# KiCad board BYOM_Blank_panel.kicad_pcb
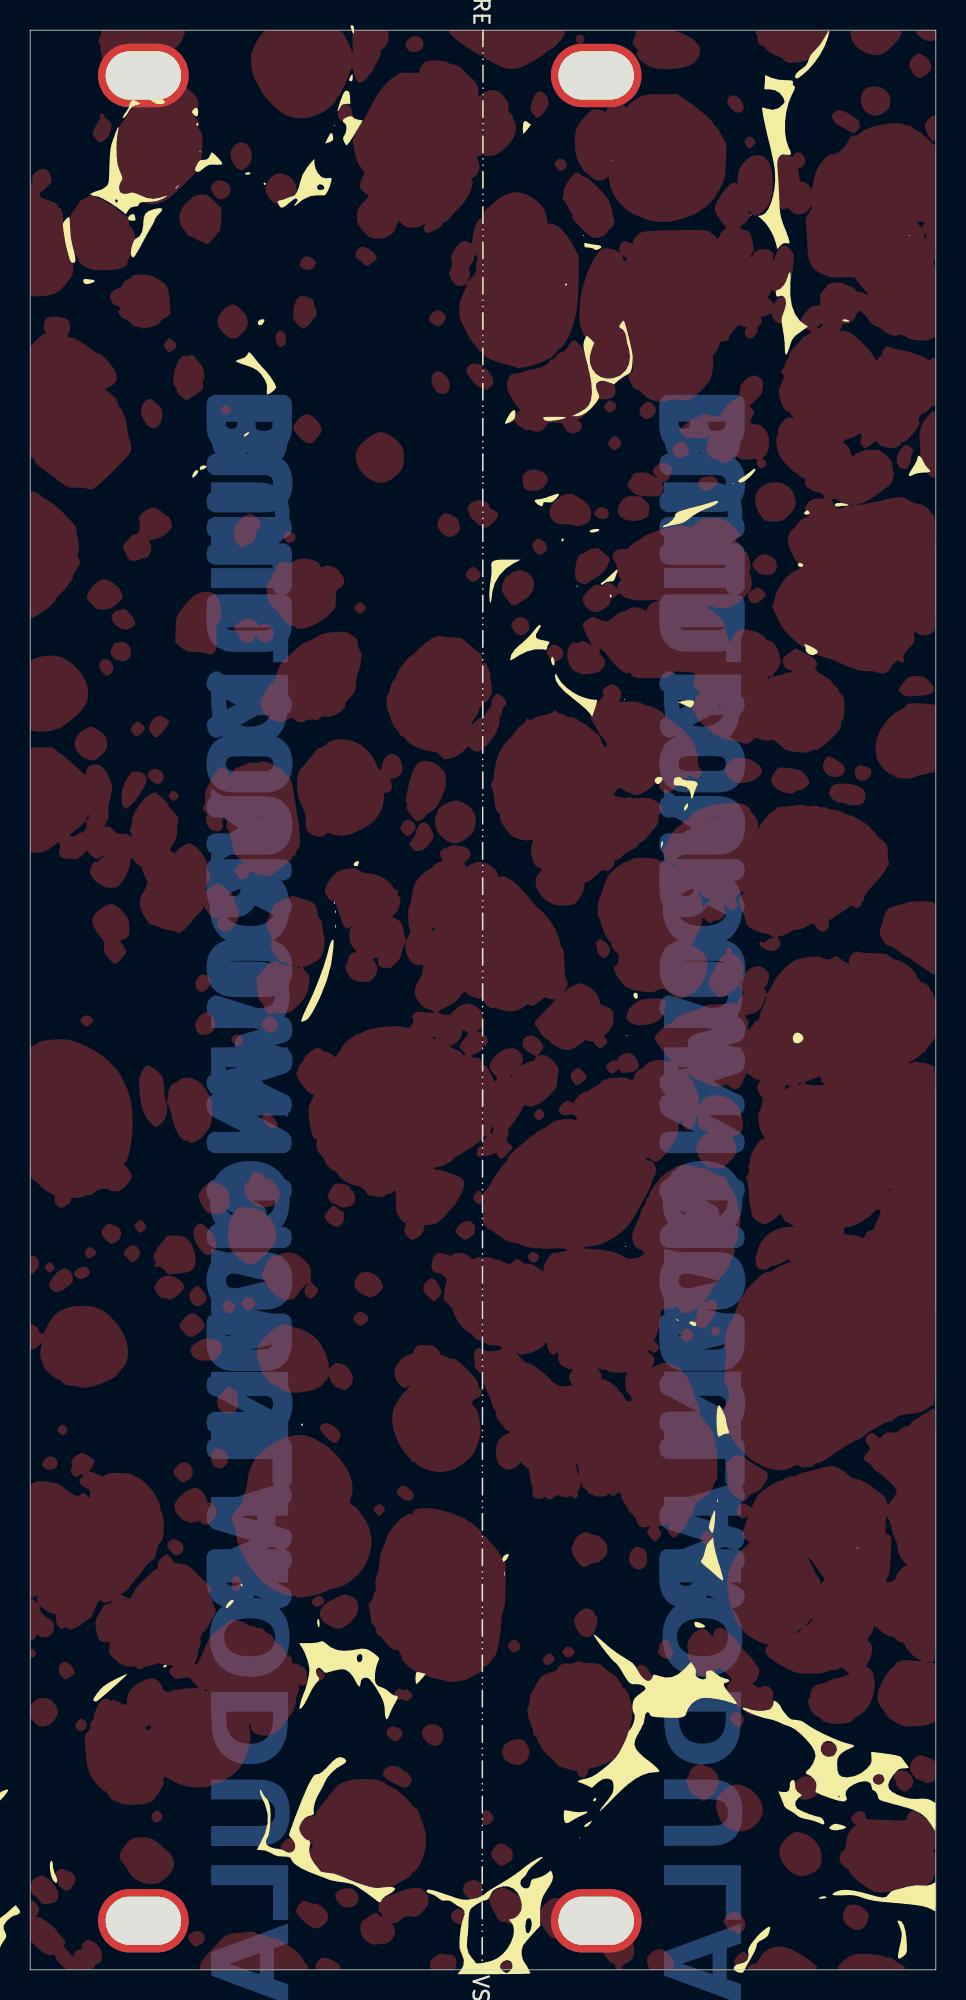
[diagram p0: board, top side]
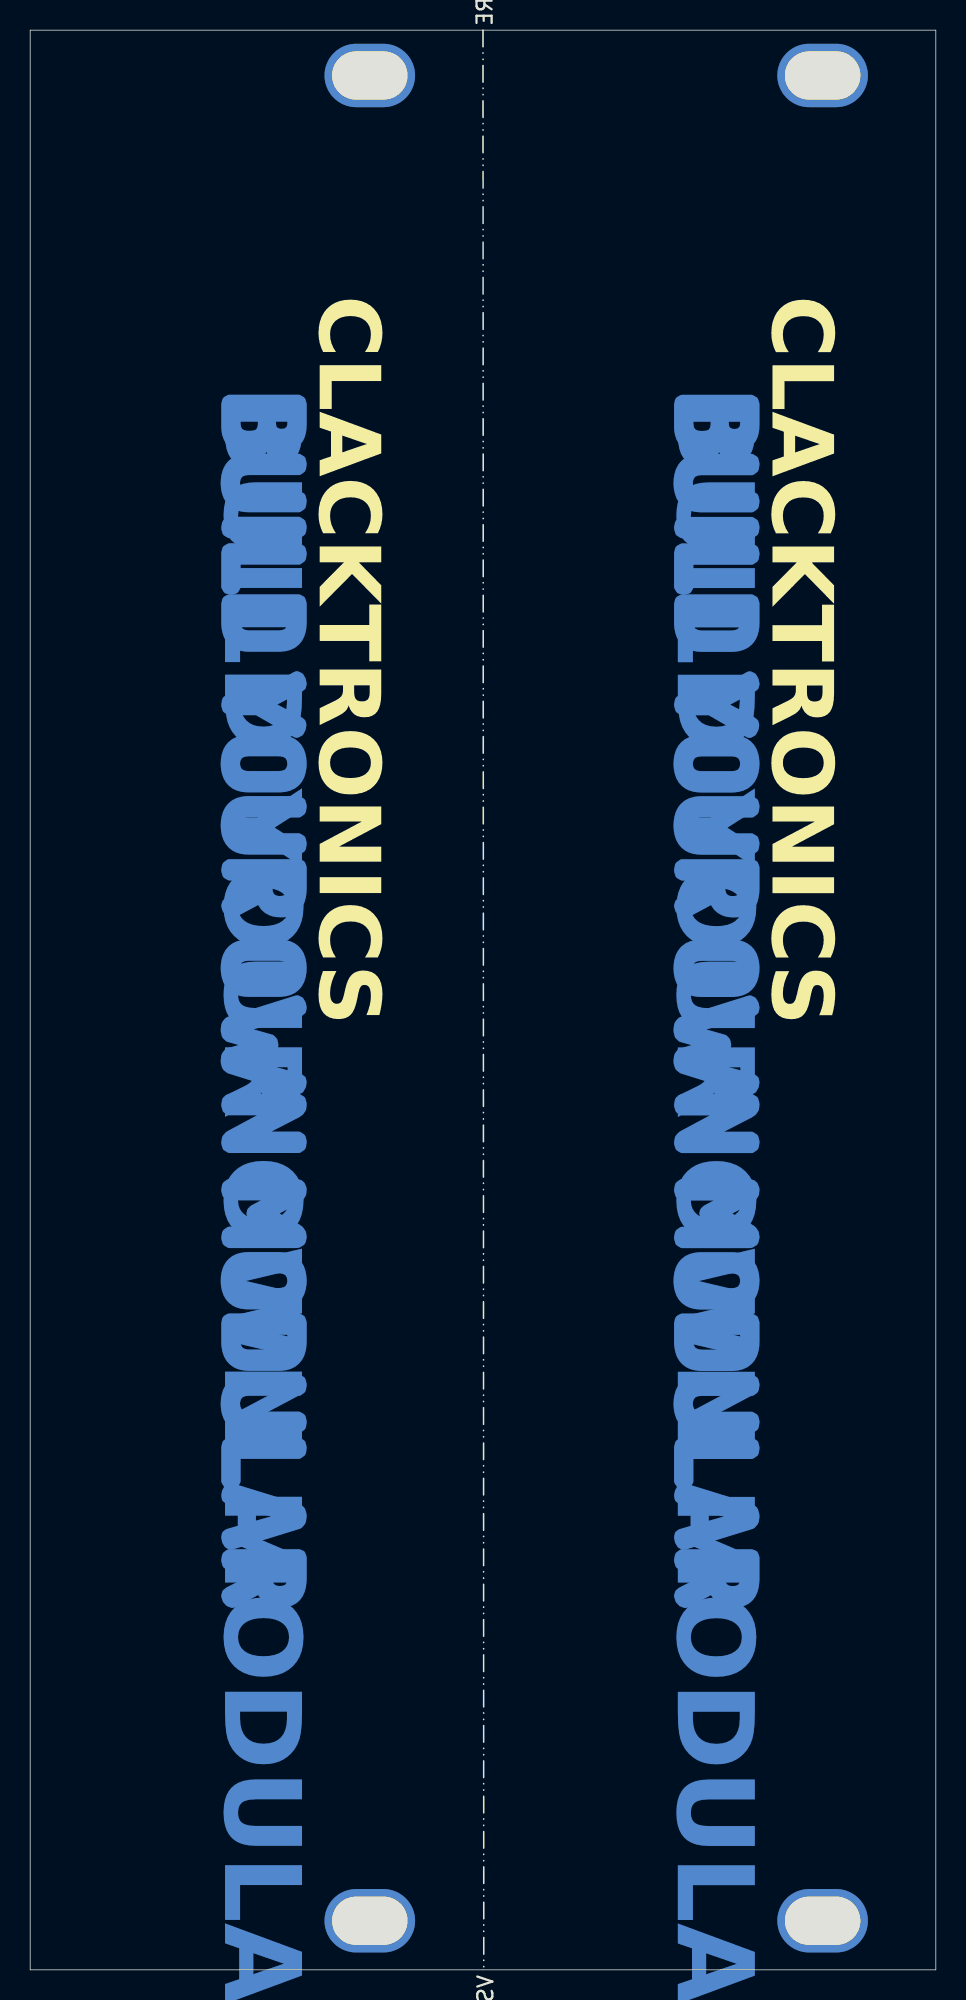
[diagram p1: board, bottom side, seen from below]

Outline 60 x 128.5 mm; copper layers: Top, Bottom. Coordinates in mm from the lower left corner of the outline.
Outline path: 30,128.5 0,128.5 0,0 60,0 60,128.5 30,128.5 ; 30,128.5 29.95,0
Stack: Top 0.035mm / dielectric 1.91mm FR4 er 4.5 / Bottom 0.035mm

## Placement (name value [footprint] x y rotation side)
G***  LOGO  [pattern]  27 64.25 0 top
H1  MountingHole_Pad  [plated_rack_hole]  7.5 125.5 0 top
H1#2  MountingHole_Pad  [plated_rack_hole]  37.5 125.5 0 top
H2  MountingHole_Pad  [plated_rack_hole]  7.5 3.25 0 top
H2#2  MountingHole_Pad  [plated_rack_hole]  37.5 3.25 0 top

## Library data of the parts
H1 H2 = -: Description: Mounting Hole with connection
H1#2 H2#2 = -: Description: Mounting Hole with connection; ki_fp_filters: MountingHole*Pad*

## Footprints (pads in the part's own frame, mm; a bottom-side part is the same pattern mirrored in y, then rotated)
plated_rack_hole
  oval 6x4.2 hole 5x3.2: 1(0,0)

## Nets
Net-(H1-Pad1): H1.1 H1#2.1 H2.1 H2#2.1

## Copper pours and planes (outline as drawn; the poured copper is in the pictures)
Net-(H1-Pad1) on Bottom (solid shape): 16.82,96 17.02,95.86 17.05,95.8 17.09,95.55 17.09,95.47 17.02,95.23 17.01,95.22 16.8,95.09 12.21,95.09 12.2,95.09 12,95.23 11.97,95.3 11.93,95.55 11.94,95.62 12,95.86 12,95.87 12.21,96 16.8,96
Net-(H1-Pad1) on Bottom (solid shape): 46.82,96.01 47.02,95.87 47.05,95.8 47.09,95.55 47.09,95.48 47.02,95.24 47.01,95.23 46.8,95.1 42.21,95.1 42.2,95.1 42,95.24 41.97,95.31 41.93,95.55 41.94,95.63 42,95.87 42,95.88 42.21,96.01 46.8,96.01
Net-(H1-Pad1) on Bottom (solid shape): 16.94,91.4 16.7,91.35 16.67,91.35 16.43,91.41 16.31,91.61 16.31,93.34 12.22,93.34 12.21,93.34 12,93.48 11.97,93.55 11.93,93.79 11.94,93.87 12,94.11 12,94.11 12.21,94.25 16.8,94.25 17.02,94.12 17.03,94.09 17.09,93.85 17.09,91.61 16.97,91.41
Net-(H1-Pad1) on Bottom (solid shape): 16.94,32.16 16.7,32.1 16.67,32.1 16.43,32.17 16.31,32.37 16.31,34.09 12.22,34.09 12.21,34.09 12,34.23 11.97,34.31 11.93,34.55 11.94,34.62 12,34.86 12,34.87 12.21,35.01 16.8,35.01 17.02,34.88 17.03,34.85 17.09,34.61 17.09,32.37 16.97,32.17
Net-(H1-Pad1) on Bottom (solid shape): 46.94,91.41 46.7,91.35 46.67,91.35 46.43,91.42 46.31,91.62 46.31,93.34 42.22,93.34 42.21,93.34 42,93.48 41.97,93.56 41.93,93.8 41.94,93.87 42,94.11 42,94.12 42.21,94.26 46.8,94.26 47.02,94.13 47.03,94.1 47.09,93.86 47.09,91.62 46.97,91.42
Net-(H1-Pad1) on Bottom (solid shape): 46.94,32.16 46.7,32.11 46.67,32.11 46.43,32.18 46.31,32.38 46.31,34.1 42.22,34.1 42.21,34.1 42,34.24 41.97,34.31 41.93,34.56 41.94,34.63 42,34.87 42,34.88 42.21,35.01 46.8,35.01 47.02,34.89 47.03,34.86 47.09,34.61 47.09,32.38 46.97,32.18
Net-(H1-Pad1) on Bottom (solid shape): 12.35,85.77 12.41,85.75 14.94,84.3 15.03,84.28 16.8,84.28 16.82,84.28 17.02,84.13 17.05,84.07 17.09,83.82 17.09,83.75 17.02,83.51 17.01,83.5 16.8,83.36 15.03,83.36 14.94,83.34 12.42,81.89 12.37,81.87 12.33,81.86 12.13,81.97 12.12,81.99 12,82.21 11.99,82.22 11.95,82.47 11.99,82.64 12.13,82.75 14.16,83.82 12.12,84.9 11.98,85 11.93,85.17 11.93,85.19 11.98,85.44 11.99,85.46 12.12,85.68 12.31,85.77
Net-(H1-Pad1) on Bottom (solid shape): 16.91,31.89 16.92,31.88 17.04,31.67 17.05,31.65 17.09,31.41 17.05,31.21 16.91,31.1 16,30.84 16,29.22 16.91,28.95 17.05,28.85 17.09,28.65 17.09,28.64 17.04,28.39 17.04,28.37 16.9,28.16 16.71,28.07 16.64,28.08 12.24,29.44 12.17,29.47 12.01,29.66 11.97,29.78 11.93,30.03 13.13,30.03 15.29,29.42 15.29,30.64 13.13,30.03 11.93,30.03 11.94,30.16 12.01,30.4 12.05,30.47 12.24,30.62 16.64,31.98 16.71,31.99
Net-(H1-Pad1) on Bottom (solid shape): 42.35,85.78 42.41,85.76 44.94,84.3 45.03,84.28 46.8,84.28 46.82,84.28 47.02,84.14 47.05,84.07 47.09,83.83 47.09,83.75 47.02,83.51 47.01,83.5 46.8,83.37 45.03,83.37 44.94,83.35 42.42,81.89 42.37,81.87 42.33,81.87 42.13,81.97 42.12,81.99 42,82.21 41.99,82.23 41.95,82.48 41.99,82.64 42.13,82.76 44.16,83.83 42.12,84.9 41.98,85.01 41.93,85.18 41.93,85.2 41.98,85.44 41.99,85.47 42.12,85.68 42.31,85.78
Net-(H1-Pad1) on Bottom (solid shape): 46.91,31.9 46.92,31.89 47.04,31.68 47.05,31.66 47.09,31.42 47.05,31.22 46.91,31.11 46,30.85 46,29.23 46.91,28.96 47.05,28.85 47.09,28.66 47.09,28.64 47.04,28.4 47.04,28.38 46.9,28.17 46.71,28.07 46.64,28.09 42.24,29.45 42.17,29.48 42.01,29.66 41.97,29.78 41.93,30.04 43.13,30.04 45.29,29.43 45.29,30.65 43.13,30.04 41.93,30.04 41.94,30.17 42.01,30.41 42.05,30.48 42.24,30.63 46.64,31.98 46.71,31.99
Net-(H1-Pad1) on Bottom (solid shape): 16.82,57.77 17.02,57.63 17.05,57.56 17.09,57.31 17.09,57.24 17.02,57 17.01,56.99 16.8,56.86 13.97,56.86 16.8,55.34 16.86,55.3 17.03,55.11 17.05,55.06 17.09,54.82 17.09,54.74 17.02,54.5 17.01,54.49 16.8,54.36 12.21,54.36 12.2,54.36 12,54.5 11.97,54.57 11.93,54.82 11.94,54.89 12,55.13 12,55.14 12.22,55.27 15.06,55.27 12.42,56.63 12.31,56.69 12.11,56.83 11.97,57.04 11.96,57.06 11.93,57.31 11.94,57.39 12,57.63 12.01,57.64 12.22,57.77 16.8,57.77
Net-(H1-Pad1) on Bottom (solid shape): 46.82,57.78 47.02,57.63 47.05,57.57 47.09,57.32 47.09,57.24 47.02,57 47.01,57 46.8,56.86 43.97,56.86 46.8,55.34 46.86,55.31 47.03,55.12 47.05,55.07 47.09,54.82 47.09,54.75 47.02,54.51 47.01,54.5 46.8,54.37 42.21,54.37 42.2,54.37 42,54.51 41.97,54.58 41.93,54.82 41.94,54.9 42,55.14 42,55.15 42.22,55.28 45.06,55.28 42.42,56.64 42.31,56.7 42.11,56.84 41.97,57.04 41.96,57.07 41.93,57.32 41.94,57.39 42,57.63 42.01,57.65 42.22,57.78 46.8,57.78
Net-(H1-Pad1) on Bottom (solid shape): 16.87,60.8 16.91,60.79 17.06,60.59 17.1,60.47 17.13,60.22 17.12,60.08 17.05,59.85 17.01,59.78 16.82,59.62 12.38,58.23 12.3,58.22 12.11,58.31 12.1,58.32 11.98,58.53 11.97,58.56 11.93,58.8 11.98,58.99 12.12,59.1 16.13,60.21 14.03,60.81 13.86,60.97 13.84,61.02 13.81,61.26 13.81,61.3 13.86,61.54 14.03,61.7 16.13,62.3 12.12,63.41 11.98,63.52 11.93,63.72 11.93,63.74 11.98,63.98 11.99,64 12.11,64.21 12.3,64.3 12.38,64.29 16.82,62.89 16.89,62.86 17.05,62.67 17.1,62.55 17.13,62.3 17.12,62.16 17.06,61.92 17.05,61.88 16.87,61.71 15.27,61.26
Net-(H1-Pad1) on Bottom (solid shape): 46.87,60.81 46.91,60.79 47.06,60.6 47.1,60.48 47.13,60.23 47.12,60.09 47.05,59.86 47.01,59.79 46.82,59.63 42.38,58.24 42.3,58.22 42.11,58.32 42.1,58.33 41.98,58.54 41.97,58.57 41.93,58.81 41.98,59 42.12,59.11 46.13,60.22 44.03,60.82 43.86,60.98 43.84,61.03 43.81,61.27 43.81,61.31 43.86,61.55 44.03,61.71 46.13,62.31 42.12,63.42 41.98,63.53 41.93,63.72 41.93,63.75 41.98,63.99 41.99,64 42.11,64.22 42.3,64.31 42.38,64.29 46.82,62.9 46.89,62.87 47.05,62.68 47.1,62.55 47.13,62.3 47.12,62.17 47.06,61.93 47.05,61.89 46.87,61.72 45.27,61.27
Net-(H1-Pad1) on Bottom (solid shape): 16.82,52.13 17.02,51.99 17.05,51.92 17.09,51.68 17.09,51.6 17.02,51.36 17.01,51.35 16.8,51.22 13.72,51.22 15.24,50.41 15.38,50.27 15.42,50.11 15.38,49.94 15.24,49.79 13.77,48.97 16.8,48.97 16.82,48.97 17.02,48.83 17.05,48.77 17.09,48.52 17.09,48.45 17.02,48.21 17.01,48.2 16.8,48.06 12.39,48.06 12.25,48.07 12.03,48.2 11.99,48.27 11.93,48.52 11.93,48.55 11.97,48.8 11.97,48.81 12.11,49.01 12.21,49.1 12.42,49.23 14,50.1 12.42,50.96 12.31,51.02 12.11,51.17 12.1,51.18 11.97,51.39 11.96,51.43 11.93,51.68 11.94,51.76 12.03,51.99 12.14,52.08 12.39,52.13 16.8,52.13
Net-(H1-Pad1) on Bottom (solid shape): 46.82,52.14 47.02,52 47.05,51.93 47.09,51.68 47.09,51.61 47.02,51.37 47.01,51.36 46.8,51.23 43.72,51.23 45.24,50.42 45.38,50.27 45.42,50.11 45.38,49.95 45.24,49.8 43.77,48.98 46.8,48.98 46.82,48.98 47.02,48.84 47.05,48.77 47.09,48.52 47.09,48.45 47.02,48.21 47.01,48.2 46.8,48.07 42.39,48.07 42.25,48.08 42.03,48.21 41.99,48.28 41.93,48.52 41.93,48.55 41.97,48.81 41.97,48.81 42.11,49.02 42.21,49.1 42.42,49.24 44,50.11 42.42,50.96 42.31,51.03 42.11,51.18 42.1,51.19 41.97,51.4 41.96,51.44 41.93,51.68 41.94,51.77 42.03,52 42.14,52.09 42.39,52.14 46.8,52.14
Net-(H1-Pad1) on Bottom (solid shape): 17.01,90.76 17.04,90.71 17.09,90.47 17.09,89.22 17.09,89.14 17.07,88.89 17.02,88.62 16.93,88.38 16.91,88.33 16.78,88.12 16.62,87.94 16.42,87.79 16.22,87.69 15.97,87.61 15.72,87.57 15.47,87.56 13.55,87.56 13.37,87.57 13.11,87.6 12.85,87.67 12.61,87.79 12.56,87.81 12.37,87.97 12.21,88.16 12.09,88.38 12.05,88.48 11.98,88.73 11.94,88.97 11.93,89.22 11.93,89.96 12.71,89.96 12.71,89.22 12.72,89.13 12.77,88.89 12.92,88.68 13.03,88.59 13.28,88.5 13.54,88.48 15.49,88.48 15.63,88.49 15.89,88.54 16.1,88.68 16.16,88.74 16.28,88.96 16.31,89.22 16.31,89.96 11.93,89.96 11.93,90.47 11.93,90.52 12.01,90.76 12.21,90.87 16.81,90.87
Net-(H1-Pad1) on Bottom (solid shape): 17.01,43.12 17.04,43.07 17.09,42.83 17.09,41.58 17.09,41.5 17.07,41.24 17.02,40.98 16.93,40.74 16.91,40.69 16.78,40.48 16.62,40.3 16.42,40.14 16.22,40.05 15.97,39.97 15.72,39.93 15.47,39.92 13.55,39.92 13.37,39.93 13.11,39.96 12.85,40.03 12.61,40.14 12.56,40.17 12.37,40.33 12.21,40.52 12.09,40.74 12.05,40.83 11.98,41.08 11.94,41.33 11.93,41.58 11.93,42.31 12.71,42.31 12.71,41.58 12.72,41.49 12.77,41.25 12.92,41.03 13.03,40.95 13.28,40.86 13.54,40.84 15.49,40.84 15.63,40.84 15.89,40.9 16.1,41.03 16.16,41.1 16.28,41.32 16.31,41.58 16.31,42.31 11.93,42.31 11.93,42.83 11.93,42.88 12.01,43.12 12.21,43.23 16.81,43.23
Net-(H1-Pad1) on Bottom (solid shape): 47.01,90.77 47.04,90.72 47.09,90.48 47.09,89.23 47.09,89.14 47.07,88.89 47.02,88.63 46.93,88.39 46.91,88.34 46.78,88.13 46.62,87.95 46.42,87.79 46.22,87.7 45.97,87.62 45.72,87.58 45.47,87.57 43.55,87.57 43.37,87.58 43.11,87.61 42.85,87.68 42.61,87.79 42.56,87.82 42.37,87.98 42.21,88.17 42.09,88.39 42.05,88.48 41.98,88.73 41.94,88.97 41.93,89.23 41.93,89.96 42.71,89.96 42.71,89.22 42.72,89.14 42.77,88.9 42.92,88.68 43.03,88.6 43.28,88.51 43.54,88.49 45.49,88.49 45.63,88.49 45.89,88.55 46.1,88.68 46.16,88.75 46.28,88.97 46.31,89.23 46.31,89.96 41.93,89.96 41.93,90.48 41.93,90.53 42.01,90.77 42.21,90.88 46.81,90.88
Net-(H1-Pad1) on Bottom (solid shape): 47.01,43.13 47.04,43.07 47.09,42.83 47.09,41.59 47.09,41.5 47.07,41.25 47.02,40.99 46.93,40.75 46.91,40.7 46.78,40.49 46.62,40.3 46.42,40.15 46.22,40.05 45.97,39.98 45.72,39.94 45.47,39.93 43.55,39.93 43.37,39.93 43.11,39.97 42.85,40.03 42.61,40.15 42.56,40.18 42.37,40.34 42.21,40.53 42.09,40.75 42.05,40.84 41.98,41.09 41.94,41.33 41.93,41.59 41.93,42.32 42.71,42.32 42.71,41.58 42.72,41.5 42.77,41.26 42.92,41.04 43.03,40.95 43.28,40.87 43.54,40.84 45.49,40.84 45.63,40.85 45.89,40.91 46.1,41.04 46.16,41.11 46.28,41.33 46.31,41.59 46.31,42.32 41.93,42.32 41.93,42.83 41.93,42.89 42.01,43.13 42.21,43.23 46.81,43.23
Net-(H1-Pad1) on Bottom (solid shape): 15.69,100.18 15.95,100.15 16.21,100.08 16.46,99.96 16.5,99.93 16.7,99.77 16.85,99.57 16.97,99.35 17.01,99.26 17.08,99 17.12,98.76 17.13,98.49 17.13,98.41 17.11,98.15 17.05,97.89 16.97,97.64 16.95,97.59 16.82,97.37 16.66,97.19 16.46,97.03 16.26,96.93 16.01,96.86 15.76,96.82 15.51,96.81 12.21,96.81 12.2,96.81 12,96.95 11.97,97.01 11.93,97.26 11.94,97.34 12,97.58 12,97.59 12.22,97.72 15.53,97.72 15.68,97.73 15.93,97.79 16.15,97.93 16.21,98.01 16.32,98.25 16.35,98.49 16.34,98.6 16.28,98.85 16.15,99.06 16.03,99.15 15.79,99.24 15.53,99.27 12.22,99.27 12.2,99.27 12,99.41 11.97,99.48 11.93,99.72 11.94,99.8 12,100.04 12,100.05 12.21,100.18 15.51,100.18
Net-(H1-Pad1) on Bottom (solid shape): 15.69,77.5 15.95,77.47 16.21,77.4 16.46,77.28 16.5,77.25 16.7,77.09 16.85,76.89 16.97,76.67 17.01,76.58 17.08,76.32 17.12,76.07 17.13,75.81 17.13,75.73 17.11,75.47 17.05,75.21 16.97,74.96 16.95,74.91 16.82,74.69 16.66,74.51 16.46,74.35 16.26,74.25 16.01,74.18 15.76,74.14 15.51,74.13 12.21,74.13 12.2,74.13 12,74.27 11.97,74.33 11.93,74.58 11.94,74.66 12,74.9 12,74.91 12.22,75.04 15.53,75.04 15.68,75.05 15.93,75.11 16.15,75.25 16.21,75.33 16.32,75.57 16.35,75.81 16.34,75.92 16.28,76.17 16.15,76.38 16.03,76.47 15.79,76.56 15.53,76.59 12.22,76.59 12.2,76.59 12,76.73 11.97,76.8 11.93,77.04 11.94,77.12 12,77.36 12,77.37 12.21,77.5 15.51,77.5
Net-(H1-Pad1) on Bottom (solid shape): 15.69,39.18 15.95,39.15 16.21,39.08 16.46,38.96 16.5,38.93 16.7,38.77 16.85,38.58 16.97,38.36 17.01,38.26 17.08,38 17.12,37.76 17.13,37.5 17.13,37.41 17.11,37.16 17.05,36.89 16.97,36.64 16.95,36.6 16.82,36.38 16.66,36.19 16.46,36.03 16.26,35.94 16.01,35.86 15.76,35.82 15.51,35.81 12.21,35.81 12.2,35.81 12,35.95 11.97,36.02 11.93,36.27 11.94,36.34 12,36.59 12,36.6 12.22,36.72 15.53,36.72 15.68,36.73 15.93,36.79 16.15,36.93 16.21,37.01 16.32,37.25 16.35,37.5 16.34,37.61 16.28,37.86 16.15,38.07 16.03,38.16 15.79,38.25 15.53,38.27 12.22,38.27 12.2,38.27 12,38.41 11.97,38.48 11.93,38.73 11.94,38.8 12,39.05 12,39.05 12.21,39.19 15.51,39.19
Net-(H1-Pad1) on Bottom (solid shape): 45.69,100.18 45.95,100.15 46.21,100.08 46.46,99.96 46.5,99.94 46.7,99.77 46.85,99.58 46.97,99.36 47.01,99.26 47.08,99.01 47.12,98.76 47.13,98.5 47.13,98.41 47.11,98.16 47.05,97.89 46.97,97.65 46.95,97.6 46.82,97.38 46.66,97.19 46.46,97.04 46.26,96.94 46.01,96.86 45.76,96.82 45.51,96.81 42.21,96.81 42.2,96.81 42,96.96 41.97,97.02 41.93,97.27 41.94,97.35 42,97.59 42,97.6 42.22,97.73 45.53,97.73 45.68,97.73 45.93,97.79 46.15,97.94 46.21,98.02 46.32,98.25 46.35,98.5 46.34,98.61 46.28,98.86 46.15,99.07 46.03,99.16 45.79,99.25 45.53,99.27 42.22,99.27 42.2,99.28 42,99.42 41.97,99.48 41.93,99.73 41.94,99.81 42,100.05 42,100.06 42.21,100.19 45.51,100.19
Net-(H1-Pad1) on Bottom (solid shape): 45.69,77.5 45.95,77.47 46.21,77.4 46.46,77.28 46.5,77.26 46.7,77.09 46.85,76.9 46.97,76.68 47.01,76.58 47.08,76.33 47.12,76.08 47.13,75.82 47.13,75.73 47.11,75.48 47.05,75.21 46.97,74.97 46.95,74.92 46.82,74.7 46.66,74.51 46.46,74.36 46.26,74.26 46.01,74.18 45.76,74.14 45.51,74.13 42.21,74.13 42.2,74.13 42,74.28 41.97,74.34 41.93,74.59 41.94,74.67 42,74.91 42,74.92 42.22,75.05 45.53,75.05 45.68,75.05 45.93,75.11 46.15,75.25 46.21,75.34 46.32,75.57 46.35,75.82 46.34,75.93 46.28,76.18 46.15,76.39 46.03,76.48 45.79,76.57 45.53,76.59 42.22,76.59 42.2,76.6 42,76.74 41.97,76.8 41.93,77.05 41.94,77.13 42,77.37 42,77.38 42.21,77.51 45.51,77.51
Net-(H1-Pad1) on Bottom (solid shape): 45.69,39.19 45.95,39.16 46.21,39.09 46.46,38.97 46.5,38.94 46.7,38.78 46.85,38.58 46.97,38.36 47.01,38.27 47.08,38.01 47.12,37.76 47.13,37.5 47.13,37.42 47.11,37.16 47.05,36.9 46.97,36.65 46.95,36.6 46.82,36.38 46.66,36.2 46.46,36.04 46.26,35.94 46.01,35.87 45.76,35.83 45.51,35.82 42.21,35.82 42.2,35.82 42,35.96 41.97,36.02 41.93,36.27 41.94,36.35 42,36.59 42,36.6 42.22,36.73 45.53,36.73 45.68,36.74 45.93,36.8 46.15,36.94 46.21,37.02 46.32,37.26 46.35,37.5 46.34,37.61 46.28,37.86 46.15,38.07 46.03,38.16 45.79,38.25 45.53,38.28 42.22,38.28 42.2,38.28 42,38.42 41.97,38.49 41.93,38.73 41.94,38.81 42,39.05 42,39.06 42.21,39.19 45.51,39.19
Net-(H1-Pad1) on Bottom (solid shape): 16.82,73.32 17.02,73.18 17.05,73.11 17.09,72.87 17.09,72.79 17.01,72.55 17,72.53 16.79,72.41 14.9,72.41 14.9,71.82 16.87,70.82 17.03,70.68 17.09,70.5 17.09,70.47 17.02,70.23 17,70.2 16.84,70.02 16.61,69.93 16.55,69.94 16.49,69.96 14.77,70.89 14.76,70.86 14.65,70.62 14.51,70.42 14.48,70.38 14.29,70.21 14.06,70.09 13.9,70.03 13.64,69.98 13.38,69.97 13.21,69.97 12.97,70.01 12.73,70.08 12.51,70.19 12.33,70.35 12.18,70.55 12.06,70.8 12.04,70.87 11.98,71.12 11.94,71.38 11.93,71.64 11.93,72.41 12.71,72.41 12.71,71.64 12.72,71.55 12.76,71.31 12.88,71.09 12.97,71 13.2,70.91 13.46,70.88 13.58,70.89 13.82,70.94 14.03,71.09 14.07,71.14 14.17,71.38 14.2,71.64 14.2,72.41 11.93,72.41 11.93,73.03 12.01,73.24 12.21,73.32 16.8,73.32
Net-(H1-Pad1) on Bottom (solid shape): 16.82,27.61 17.02,27.47 17.05,27.4 17.09,27.15 17.09,27.08 17.01,26.84 17,26.82 16.79,26.7 14.9,26.7 14.9,26.11 16.87,25.11 17.03,24.97 17.09,24.79 17.09,24.76 17.02,24.52 17,24.49 16.84,24.3 16.61,24.22 16.55,24.23 16.49,24.25 14.77,25.18 14.76,25.14 14.65,24.91 14.51,24.7 14.48,24.66 14.29,24.5 14.06,24.38 13.9,24.32 13.64,24.27 13.38,24.26 13.21,24.26 12.97,24.29 12.73,24.36 12.51,24.48 12.33,24.64 12.18,24.84 12.06,25.08 12.04,25.15 11.98,25.4 11.94,25.67 11.93,25.92 11.93,26.7 12.71,26.7 12.71,25.92 12.72,25.84 12.76,25.6 12.88,25.37 12.97,25.29 13.2,25.19 13.46,25.17 13.58,25.18 13.82,25.23 14.03,25.37 14.07,25.43 14.17,25.67 14.2,25.92 14.2,26.7 11.93,26.7 11.93,27.32 12.01,27.53 12.21,27.61 16.8,27.61
Net-(H1-Pad1) on Bottom (solid shape): 46.82,73.33 47.02,73.19 47.05,73.12 47.09,72.87 47.09,72.8 47.01,72.56 47,72.54 46.79,72.42 44.9,72.42 44.9,71.83 46.87,70.83 47.03,70.69 47.09,70.51 47.09,70.48 47.02,70.24 47,70.21 46.84,70.02 46.61,69.94 46.55,69.95 46.49,69.97 44.77,70.9 44.76,70.86 44.65,70.63 44.51,70.42 44.48,70.38 44.29,70.22 44.06,70.1 43.9,70.04 43.64,69.99 43.38,69.98 43.21,69.98 42.97,70.01 42.73,70.08 42.51,70.2 42.33,70.36 42.18,70.56 42.06,70.8 42.04,70.87 41.98,71.12 41.94,71.39 41.93,71.64 41.93,72.42 42.71,72.42 42.71,71.64 42.72,71.56 42.76,71.32 42.88,71.09 42.97,71 43.2,70.91 43.46,70.89 43.58,70.9 43.82,70.95 44.03,71.09 44.07,71.15 44.17,71.39 44.2,71.64 44.2,72.42 41.93,72.42 41.93,73.03 42.01,73.25 42.21,73.33 46.8,73.33
Net-(H1-Pad1) on Bottom (solid shape): 46.82,27.62 47.02,27.47 47.05,27.41 47.09,27.16 47.09,27.09 47.01,26.84 47,26.83 46.79,26.7 44.9,26.7 44.9,26.11 46.87,25.11 47.03,24.98 47.09,24.8 47.09,24.76 47.02,24.53 47,24.49 46.84,24.31 46.61,24.23 46.55,24.23 46.49,24.26 44.77,25.18 44.76,25.15 44.65,24.92 44.51,24.71 44.48,24.67 44.29,24.5 44.06,24.38 43.9,24.32 43.64,24.28 43.38,24.26 43.21,24.27 42.97,24.3 42.73,24.37 42.51,24.49 42.33,24.64 42.18,24.85 42.06,25.09 42.04,25.16 41.98,25.41 41.94,25.68 41.93,25.93 41.93,26.7 42.71,26.7 42.71,25.93 42.72,25.85 42.76,25.6 42.88,25.38 42.97,25.29 43.2,25.2 43.46,25.18 43.58,25.18 43.82,25.24 44.03,25.38 44.07,25.43 44.17,25.67 44.2,25.93 44.2,26.7 41.93,26.7 41.93,27.32 42.01,27.54 42.21,27.62 46.8,27.62
Net-(H1-Pad1) on Bottom (solid shape): 17.01,103.98 17.04,103.93 17.09,103.69 17.09,102.19 17.08,101.98 17.03,101.73 16.95,101.48 16.85,101.31 16.68,101.12 16.48,100.97 16.37,100.92 16.12,100.84 15.87,100.8 15.61,100.79 15.46,100.79 15.4,100.79 15.14,100.81 14.89,100.88 14.72,100.96 14.53,101.13 14.42,101.28 14.32,101.51 14.28,101.43 14.12,101.23 13.91,101.08 13.69,100.98 13.44,100.93 13.19,100.91 13.15,100.91 12.89,100.93 12.65,100.99 12.41,101.12 12.3,101.21 12.14,101.42 12.04,101.65 11.99,101.81 11.95,102.06 11.93,102.33 11.93,103.19 12.71,103.19 12.71,102.4 12.72,102.33 12.79,102.1 12.81,102.07 13,101.9 13.09,101.86 13.33,101.83 13.56,101.86 13.79,101.97 13.92,102.14 13.96,102.39 13.96,103.19 14.67,103.19 14.67,102.39 14.67,102.35 14.71,102.1 14.83,101.89 14.92,101.81 15.16,101.72 15.42,101.7 15.53,101.7 15.66,101.71 15.9,101.75 16.12,101.89 16.15,101.91 16.27,102.14 16.31,102.39 16.31,103.19 11.93,103.19 11.93,103.69 11.93,103.73 12.01,103.97 12.22,104.09 16.81,104.09
Net-(H1-Pad1) on Bottom (solid shape): 47.01,103.99 47.04,103.94 47.09,103.7 47.09,102.2 47.08,101.99 47.03,101.74 46.95,101.49 46.85,101.32 46.68,101.12 46.48,100.98 46.37,100.93 46.12,100.85 45.87,100.81 45.61,100.79 45.46,100.79 45.4,100.79 45.14,100.82 44.89,100.89 44.72,100.97 44.53,101.14 44.42,101.29 44.32,101.52 44.28,101.44 44.12,101.23 43.91,101.08 43.69,100.99 43.44,100.94 43.19,100.92 43.15,100.92 42.89,100.94 42.65,101 42.41,101.12 42.3,101.22 42.14,101.43 42.04,101.65 41.99,101.82 41.95,102.07 41.93,102.34 41.93,103.19 42.71,103.19 42.71,102.4 42.72,102.34 42.79,102.1 42.81,102.07 43,101.91 43.09,101.87 43.33,101.84 43.56,101.86 43.79,101.97 43.92,102.15 43.96,102.4 43.96,103.19 44.67,103.19 44.67,102.4 44.67,102.36 44.71,102.11 44.83,101.89 44.92,101.82 45.16,101.73 45.42,101.71 45.53,101.71 45.66,101.71 45.9,101.76 46.12,101.89 46.15,101.92 46.27,102.14 46.31,102.4 46.31,103.19 41.93,103.19 41.93,103.7 41.93,103.74 42.01,103.97 42.22,104.1 46.81,104.1
Net-(H1-Pad1) on Bottom (solid shape): 15.69,81.54 15.95,81.51 16.21,81.44 16.46,81.33 16.5,81.3 16.7,81.14 16.85,80.96 16.97,80.74 17,80.67 17.07,80.42 17.12,80.15 17.13,79.9 17.13,79.81 17.11,79.56 17.05,79.3 16.97,79.06 16.95,79.01 16.82,78.8 16.66,78.62 16.46,78.46 16.26,78.37 16.01,78.29 15.76,78.26 15.51,78.25 13.55,78.25 13.37,78.25 13.11,78.28 12.85,78.35 12.61,78.46 12.56,78.49 12.37,78.65 12.21,78.84 12.09,79.06 12.06,79.13 11.99,79.38 11.94,79.65 11.93,79.9 12.71,79.9 12.72,79.82 12.77,79.58 12.91,79.36 13.03,79.27 13.27,79.18 13.53,79.16 15.53,79.16 15.68,79.17 15.93,79.22 16.15,79.36 16.21,79.42 16.31,79.64 16.35,79.9 16.34,79.98 16.29,80.22 16.15,80.44 16.03,80.53 15.79,80.62 15.53,80.64 13.53,80.64 13.38,80.63 13.13,80.58 12.91,80.44 12.86,80.38 12.75,80.16 12.71,79.9 11.93,79.9 11.93,79.99 11.95,80.24 12.01,80.5 12.09,80.74 12.11,80.79 12.24,81 12.4,81.18 12.61,81.33 12.8,81.42 13.05,81.5 13.3,81.54 13.55,81.55 15.51,81.55
Net-(H1-Pad1) on Bottom (solid shape): 15.69,67.99 15.95,67.96 16.21,67.9 16.46,67.78 16.5,67.75 16.7,67.6 16.85,67.41 16.97,67.19 17,67.12 17.07,66.87 17.12,66.61 17.13,66.35 17.13,66.27 17.11,66.02 17.05,65.76 16.97,65.51 16.95,65.47 16.82,65.25 16.66,65.07 16.46,64.92 16.26,64.82 16.01,64.75 15.76,64.71 15.51,64.7 13.55,64.7 13.37,64.71 13.11,64.74 12.85,64.8 12.61,64.92 12.56,64.95 12.37,65.1 12.21,65.29 12.09,65.51 12.06,65.58 11.99,65.83 11.94,66.1 11.93,66.35 12.71,66.35 12.72,66.27 12.77,66.03 12.91,65.81 13.03,65.73 13.27,65.64 13.53,65.61 15.53,65.61 15.68,65.62 15.93,65.68 16.15,65.81 16.21,65.88 16.31,66.1 16.35,66.35 16.34,66.44 16.29,66.68 16.15,66.9 16.03,66.98 15.79,67.07 15.53,67.09 13.53,67.09 13.38,67.09 13.13,67.03 12.91,66.9 12.86,66.83 12.75,66.61 12.71,66.35 11.93,66.35 11.93,66.44 11.95,66.69 12.01,66.95 12.09,67.2 12.11,67.24 12.24,67.45 12.4,67.63 12.61,67.78 12.8,67.88 13.05,67.95 13.3,67.99 13.55,68 15.51,68